# Altium PCB 4S SMART BMS İsmet Akalın.PcbDoc (part 1 of 2) (continued)
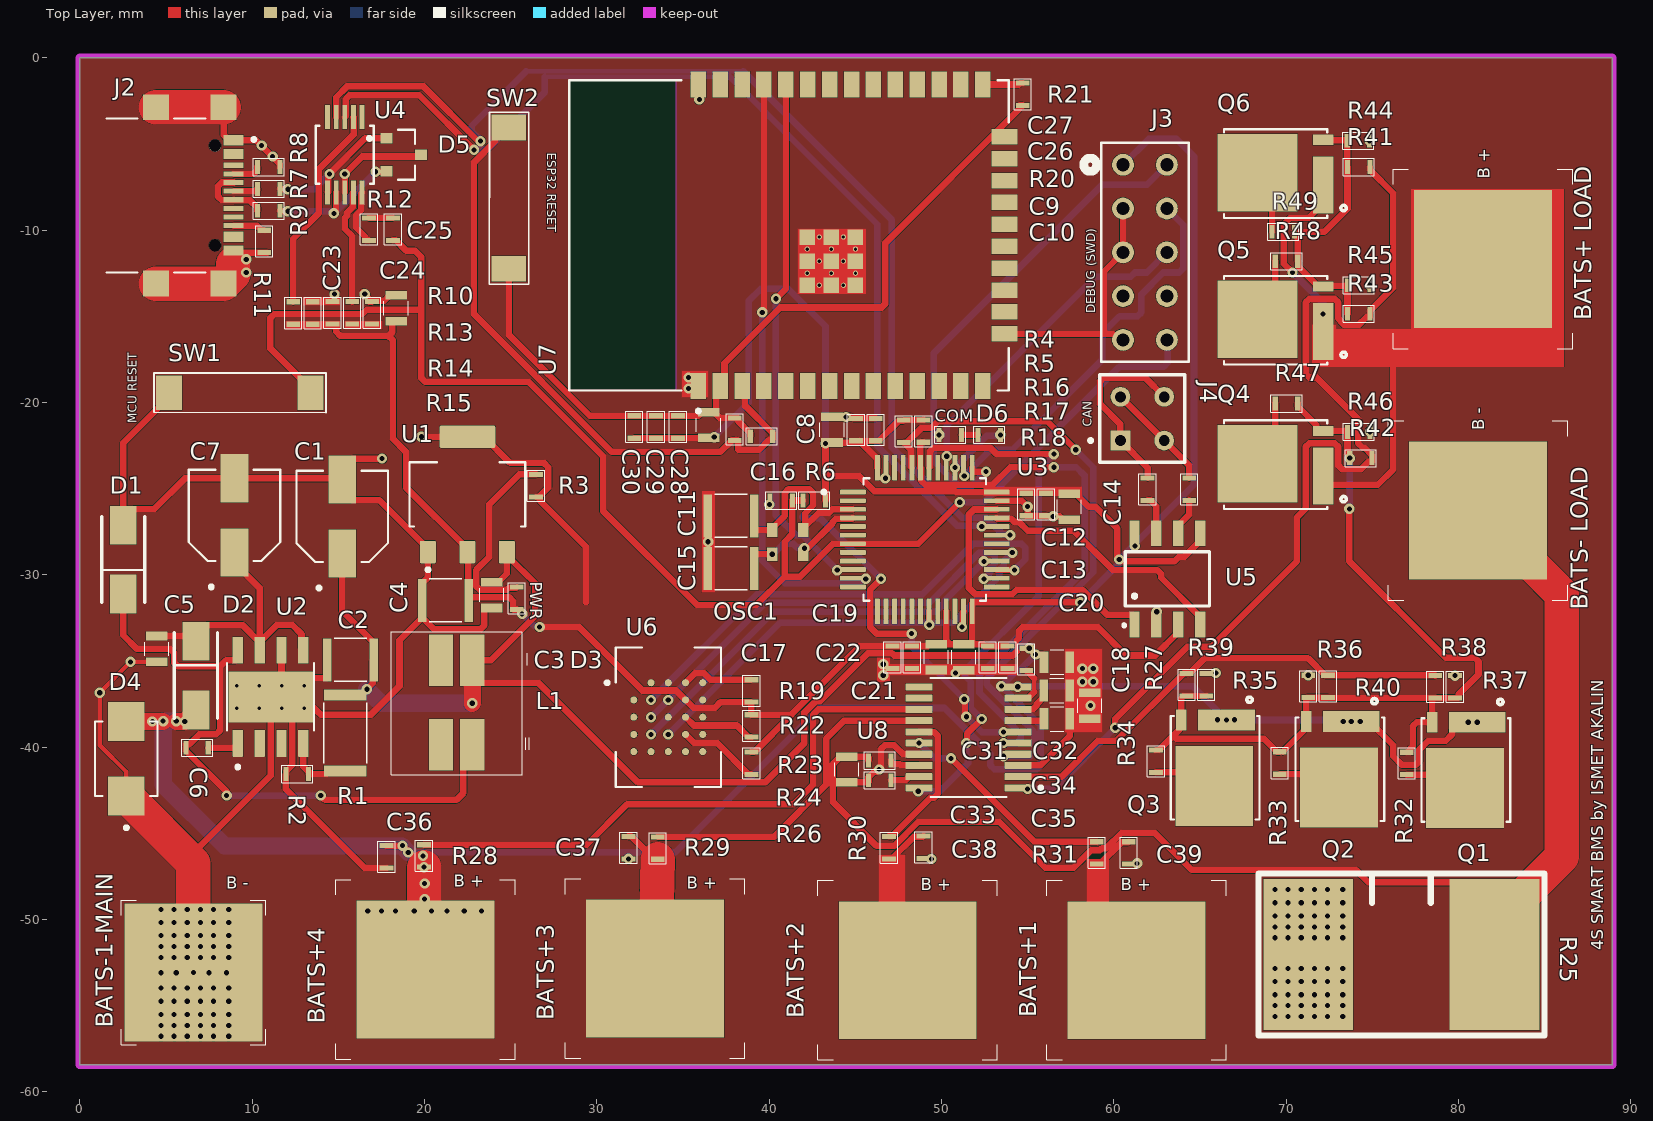
[diagram p0: Top Layer view]
## Part data (continued)
C8 C14 C21 C22 C27: library part "CAP CER 10UF 6.3V 0805", "10 µF ±10% 6.3V Ceramic Capacitor X7R 0805 (2012 Metric)", Case Code (Metric)=2012, Case Code (Imperial)=0805, Dielectric=X7R, Dielectric Material=Ceramic, Manufacturer="Samsung Electro-Mechanics", Max Operating Temperature=125°C, Min Operating Temperature=-55°C, Tolerance=10%, Voltage=6.3V, Case/Package=0805, Category="Ceramic Capacitors", China RoHS=Compliant, ComponentLink1Description=https://datasheet.octopart.com:443/CL21B106KQQNNNG-Samsung-Electro-Mechanics-datasheet-182023452.pdf?src-supplier=IHS, ComponentLink1URL=https://datasheet.octopart.com:443/CL21B106KQQNNNG-Samsung-Electro-Mechanics-datasheet-182023452.pdf?src-supplier=IHS, ComponentLink2Description=https://datasheet.octopart.com:443/CL21B106KQQNNNG-Samsung-Electro-Mechanics-datasheet-136482505.pdf?src-supplier=Samsung+SCT, ComponentLink2URL=https://datasheet.octopart.com:443/CL21B106KQQNNNG-Samsung-Electro-Mechanics-datasheet-136482505.pdf?src-supplier=Samsung+SCT, ComponentLink3Description=https://datasheet.octopart.com:443/CL21B106KQQNNNG-Samsung-Electro-Mechanics-datasheet-116891051.pdf?src-supplier=Future+Electronics, ComponentLink3URL=https://datasheet.octopart.com:443/CL21B106KQQNNNG-Samsung-Electro-Mechanics-datasheet-116891051.pdf?src-supplier=Future+Electronics, ComponentLink4Description=https://datasheet.octopart.com:443/CL21B106KQQNNNG-Samsung-Electro-Mechanics-datasheet-81462194.pdf?src-supplier=Future+Electronics, ComponentLink4URL=https://datasheet.octopart.com:443/CL21B106KQQNNNG-Samsung-Electro-Mechanics-datasheet-81462194.pdf?src-supplier=Future+Electronics, ComponentLink5Description=https://datasheet.octopart.com:443/CL21B106KQQNNNG-Samsung-datasheet-26669288.pdf?src-supplier=Future+Electronics, ComponentLink5URL=https://datasheet.octopart.com:443/CL21B106KQQNNNG-Samsung-datasheet-26669288.pdf?src-supplier=Future+Electronics, ComponentLink6Description=https://datasheet.octopart.com:443/CL21B106KQQNNNG-Samsung-datasheet-8324245.pdf?src-supplier=Future+Electronics, ComponentLink6URL=https://datasheet.octopart.com:443/CL21B106KQQNNNG-Samsung-datasheet-8324245.pdf?src-supplier=Future+Electronics, ComponentLink7Description=https://datasheet.octopart.com:443/CL21B106KQQNNNG-Samsung-Electro-Mechanics-datasheet-149045989.pdf?src-supplier=Future+Electronics, ComponentLink7URL=https://datasheet.octopart.com:443/CL21B106KQQNNNG-Samsung-Electro-Mechanics-datasheet-149045989.pdf?src-supplier=Future+Electronics, ComponentLink8Description=https://datasheet.octopart.com:443/CL21B106KQQNNNG-Samsung-datasheet-37081328.pdf?src-supplier=Future+Electronics, ComponentLink8URL=https://datasheet.octopart.com:443/CL21B106KQQNNNG-Samsung-datasheet-37081328.pdf?src-supplier=Future+Electronics, ComponentLink9Description=https://datasheet.octopart.com/CL21B106KQQNNNG-Samsung-Electro-Mechanics-datasheet-97040617.pdf, ComponentLink9URL=https://datasheet.octopart.com/CL21B106KQQNNNG-Samsung-Electro-Mechanics-datasheet-97040617.pdf, ComponentLink10Description=https://datasheet.octopart.com:443/CL21B106KQQNNNG-Samsung-datasheet-59220082.pdf?src-supplier=TME, ComponentLink10URL=https://datasheet.octopart.com:443/CL21B106KQQNNNG-Samsung-datasheet-59220082.pdf?src-supplier=TME, Depth=1.25mm, Height=1.4mm, Lead Free="Lead Free", Length=2mm, Lifecycle Status=Production, Manufacturer Part Number=CL21B106KQQNNNG, Material=Ceramic, Mounting Technology="Surface Mount", Number of Terminals=2, Pricing="1=0,0256, 10=0,011, 25=0,011, 100=0,008, 250=0,008, 500=0,007, 1000=0,006, 3000=0,006, 6000=0,005, 15000=0,005, 30000=0,005, 75000=0,004, 150000=0,004 (USD)", REACH SVHC=Yes, RoHS=Compliant, Schedule B="8532240020, 8532240020|8532240020, 8532240020|8532240020|8532240020, 8532240020|8532240020|8532240020|8532240020", Stock=330626, Supplier="Arrow Electronics", Supplier Part Number=CL21B106KQQNNNG, Thickness=1.397mm, Voltage Rating=6.3V, Voltage Rating (DC)=6.3V, Width=1.25mm
C9 C10 C12 C13 C16 C17 C18 C19 C20 C23 C25 C26 C28 C29 C30: library part "CAP CER 0.1UF 6.3V 0603", "0.1 µF ±5% 6.3V Ceramic Capacitor X7R 0603 (1608 Metric)", Dielectric Material=Ceramic, Manufacturer="KYOCERA AVX", Max Operating Temperature=125°C, Min Operating Temperature=-55°C, Voltage Rating (DC)=6.3V, Category="Ceramic Capacitors", ComponentLink1Description=https://datasheet.octopart.com:443/KGM15AR70J104JT-KYOCERA-AVX-datasheet-179280988.pdf?src-supplier=IHS, ComponentLink1URL=https://datasheet.octopart.com:443/KGM15AR70J104JT-KYOCERA-AVX-datasheet-179280988.pdf?src-supplier=IHS, Height=900µm, Length=1.6mm, Lifecycle Status=Production, Manufacturer Part Number=KGM15AR70J104JT, Mounting Technology="Surface Mount", Number of Terminals=2, Pricing="1=0,019, 10=0,019, 25=0,019, 100=0,018, 250=0,018, 500=0,018, 1000=0,018 (USD)", REACH SVHC=Yes, RoHS=Compliant, Stock=2087, Supplier="Arrow Electronics", Supplier Part Number=KGM15AR70J104JT, Width=810µm
C31 C33 C35: library part "CAP CER 0.1UF 50V 0805", "0.1 µF ±10% 50V Ceramic Capacitor X7R 0805 (2012 Metric)", Dielectric Material=Ceramic, Manufacturer="KYOCERA AVX", Max Operating Temperature=125°C, Min Operating Temperature=-55°C, Voltage Rating (DC)=50V, Category="Ceramic Capacitors", ComponentLink1Description=https://datasheet.octopart.com:443/KGM21NR71H104KT-KYOCERA-AVX-datasheet-179280988.pdf?src-supplier=IHS, ComponentLink1URL=https://datasheet.octopart.com:443/KGM21NR71H104KT-KYOCERA-AVX-datasheet-179280988.pdf?src-supplier=IHS, ComponentLink2Description=https://datasheet.octopart.com:443/KGM21NR71H104KT-KYOCERA-AVX-datasheet-178027269.pdf?src-supplier=TME, ComponentLink2URL=https://datasheet.octopart.com:443/KGM21NR71H104KT-KYOCERA-AVX-datasheet-178027269.pdf?src-supplier=TME, ComponentLink3Description=https://datasheet.octopart.com:443/KGM21NR71H104KT-KYOCERA-AVX-datasheet-175509538.pdf?src-supplier=Future+Electronics, ComponentLink3URL=https://datasheet.octopart.com:443/KGM21NR71H104KT-KYOCERA-AVX-datasheet-175509538.pdf?src-supplier=Future+Electronics, ComponentLink4Description=http://sigma.octopart.com:80/conflict_mineral_statement/AVX-company-34.pdf?src-supplier=Compliance+Statements, ComponentLink4URL=http://sigma.octopart.com:80/conflict_mineral_statement/AVX-company-34.pdf?src-supplier=Compliance+Statements, ComponentLink5Description=http://sigma.octopart.com:80/reach_statement/AVX-company-19.pdf?src-supplier=Compliance+Statements, ComponentLink5URL=http://sigma.octopart.com:80/reach_statement/AVX-company-19.pdf?src-supplier=Compliance+Statements, Height=1mm, Length=2.01mm, Lifecycle Status=Production, Manufacturer Part Number=KGM21NR71H104KT, Mounting Technology="Surface Mount", Number of Terminals=2, Pricing="4000=0,0068, 20000=0,007, 100000=0,006 (USD)", REACH SVHC=Yes, RoHS=Compliant, Stock=28652000, Supplier="Arrow Electronics", Supplier Part Number=KGM21NR71H104KT, Width=1.25mm
D1 D2: library part "DIODE SCHOTTKY 40V 5A", "Diode Schottky 40 V 5A Surface Mount SMA", Capacitance @ Vr, F="500pF @ 4V, 1MHz", Current - Average Rectified (Io)=5A, Current - Reverse Leakage @ Vr="1 mA @ 40 V", Operating Temperature - Junction="-55°C ~ 125°C", Package / Case="DO-214AC, SMA", Voltage - DC Reverse (Vr) (Max)="40 V", Voltage - Forward (Vf) (Max) @ If="550 mV @ 5 A", ComponentLink1Description=DataSheet, ComponentLink1URL=https://www.digikey.com/en/products/detail/mdd/ss54/15911594#:~:text=Datasheets-,SS54_Datasheet,-Environmental%20%26%20Export%20Classifications, ComponentLink2Description="Supplier Link", ComponentLink2URL=https://www.digikey.com/en/products/detail/mdd/ss54/15911594, Mounting Type="Surface Mount", Speed="Fast Recovery =< 500ns, > 200mA (Io)", Technology=Schottky
D3: library part "LED RED CLEAR", "Red 631nm LED Indication - Discrete 2V 0603 (1608 Metric)", Case Code (Metric)=1608, Case Code (Imperial)=0603, Color=Red, Forward Current=25mA, Forward Voltage=2.4V, Lens Color="Clear, Colorless", Manufacturer=Lite-On, Max Operating Temperature=85°C, Min Operating Temperature=-30°C, Power Dissipation=62.5mW, Power Rating=75mW, Reverse Voltage=5V, Supplier Part Number=5050042, Test Current=20mA, Tolerance=20%, Voltage Rating=50V, Case/Package=0603, Category=LEDs, China RoHS=Compliant, ComponentLink1Description=https://datasheet.octopart.com:443/LTST-C190KRKT-Lite-On-datasheet-32047000.pdf?src-supplier=Upverter, ComponentLink1URL=https://datasheet.octopart.com:443/LTST-C190KRKT-Lite-On-datasheet-32047000.pdf?src-supplier=Upverter, ComponentLink2Description=https://datasheet.octopart.com:443/LTST-C190KRKT-Lite-On-datasheet-114749306.pdf?src-supplier=ODG+(Origin+Data+Global), ComponentLink2URL=https://datasheet.octopart.com:443/LTST-C190KRKT-Lite-On-datasheet-114749306.pdf?src-supplier=ODG+(Origin+Data+Global), ComponentLink3Description=https://datasheet.octopart.com:443/LTST-C190KRKT-Lite-On-datasheet-166650849.pdf?src-supplier=IHS, ComponentLink3URL=https://datasheet.octopart.com:443/LTST-C190KRKT-Lite-On-datasheet-166650849.pdf?src-supplier=IHS, ComponentLink4Description=https://datasheet.octopart.com:443/LTST-C190KRKT-Lite-On-datasheet-158191.pdf?src-supplier=_legacy+Avnet, ComponentLink4URL=https://datasheet.octopart.com:443/LTST-C190KRKT-Lite-On-datasheet-158191.pdf?src-supplier=_legacy+Avnet, ComponentLink5Description=https://datasheet.octopart.com:443/LTST-C190KRKT-Lite-On-datasheet-165573809.pdf?src-supplier=TME, ComponentLink5URL=https://datasheet.octopart.com:443/LTST-C190KRKT-Lite-On-datasheet-165573809.pdf?src-supplier=TME, ComponentLink6Description=https://datasheet.octopart.com:443/LTST-C190KRKT-Lite-On-datasheet-165573808.pdf?src-supplier=TME, ComponentLink6URL=https://datasheet.octopart.com:443/LTST-C190KRKT-Lite-On-datasheet-165573808.pdf?src-supplier=TME, ComponentLink7Description=https://datasheet.octopart.com:443/LTST-C190KRKT-Lite-On-datasheet-12557188.pdf?src-supplier=Future+Electronics, ComponentLink7URL=https://datasheet.octopart.com:443/LTST-C190KRKT-Lite-On-datasheet-12557188.pdf?src-supplier=Future+Electronics, ComponentLink8Description=https://datasheet.octopart.com:443/LTST-C190KRKT-Lite-On-datasheet-8329900.pdf?src-supplier=Future+Electronics, ComponentLink8URL=https://datasheet.octopart.com:443/LTST-C190KRKT-Lite-On-datasheet-8329900.pdf?src-supplier=Future+Electronics, ComponentLink9Description=https://datasheet.octopart.com:443/LTST-C190KRKT-Lite-On-datasheet-8319956.pdf?src-supplier=Jameco, ComponentLink9URL=https://datasheet.octopart.com:443/LTST-C190KRKT-Lite-On-datasheet-8319956.pdf?src-supplier=Jameco, ComponentLink10Description=https://datasheet.octopart.com:443/LTST-C190KRKT-Lite-On-datasheet-94958.pdf?src-supplier=DigiKey, ComponentLink10URL=https://datasheet.octopart.com:443/LTST-C190KRKT-Lite-On-datasheet-94958.pdf?src-supplier=DigiKey, Depth=800µm, Diameter=8mm, Dominant Wavelength=631nm, Height=800µm, Lead Free="Lead Free", Lead Pitch=3.5mm, Length=11.5mm, Lens Style=Clear, Lens Transparency=Clear, Lifecycle Status=Production, Luminous Intensity=18mcd, Manufacturer Part Number=LTST-C190KRKT, Mounting Technology="Surface Mount", Number of Circuits=1, Number of Elements=1, Number of LEDs=1, Number of Terminals=2, Packaging=Bulk, Peak Wavelength=639nm, Pins=2, Pricing="4000=0,0152, 12000=0,0149, 20000=0,0147, 60000=0,0144, 100000=0,014 (USD)", Radiation Hardening=No, REACH SVHC=Yes, RoHS=Compliant, Schedule B="8541402000, 8541402000|8541402000, 8541402000|8541402000|8541402000, 8541402000|8541402000|8541402000|8541402000", Shape=Rectangular, Stock=1444000, Supplier="Future Electronics", Viewing Angle=260°, Voltage Rating (DC)=50V, Wavelength=631nm, Width=800µm, Illumination Color=Red
D4: library part "DIODE TVS 40VC", "TVS Diode, SMBJ, Unidirectional, 24 V, 38.9 V, DO-214AA (SMB), 2 Pins", Breakdown Voltage=28.1V, Case/Package=SMB, Clamping Voltage=38.9V, Leakage Current=5µA, Manufacturer=Bourns, Max Breakdown Voltage=29.5V, Max Junction Temperature (Tj)=150°C, Max Power Dissipation=5W, Max Surge Current=100A, Min Breakdown Voltage=26.7V, Min Operating Temperature=-55°C, Peak Pulse Current=15.5A, Peak Pulse Power=600W, Power Line Protection=No, Reverse Standoff Voltage=24V, Supplier Part Number=1899465, Test Current=1mA, Category="TVS Diodes", China RoHS=Non-Compliant, ComponentLink1Description=https://datasheet.octopart.com:443/SMBJ24A-Bourns-datasheet-179980059.pdf?src-supplier=TME, ComponentLink1URL=https://datasheet.octopart.com:443/SMBJ24A-Bourns-datasheet-179980059.pdf?src-supplier=TME, ComponentLink2Description=https://datasheet.octopart.com:443/SMBJ24A-Bourns-datasheet-12567566.pdf?src-supplier=Burklin+Elektronik, ComponentLink2URL=https://datasheet.octopart.com:443/SMBJ24A-Bourns-datasheet-12567566.pdf?src-supplier=Burklin+Elektronik, ComponentLink3Description=https://datasheet.octopart.com:443/SMBJ24A-Bourns-datasheet-165058450.pdf?src-supplier=Burklin+Elektronik, ComponentLink3URL=https://datasheet.octopart.com:443/SMBJ24A-Bourns-datasheet-165058450.pdf?src-supplier=Burklin+Elektronik, ComponentLink4Description=https://datasheet.octopart.com:443/SMBJ24A-Bourns-datasheet-94099898.pdf?src-supplier=Farnell, ComponentLink4URL=https://datasheet.octopart.com:443/SMBJ24A-Bourns-datasheet-94099898.pdf?src-supplier=Farnell, ComponentLink5Description=https://datasheet.octopart.com:443/SMBJ24A-Bourns-datasheet-34433208.pdf?src-supplier=Newark, ComponentLink5URL=https://datasheet.octopart.com:443/SMBJ24A-Bourns-datasheet-34433208.pdf?src-supplier=Newark, ComponentLink6Description=https://datasheet.octopart.com:443/SMBJ24A-Bourns-datasheet-154729896.pdf?src-supplier=Electro+Sonic, ComponentLink6URL=https://datasheet.octopart.com:443/SMBJ24A-Bourns-datasheet-154729896.pdf?src-supplier=Electro+Sonic, ComponentLink7Description=https://datasheet.octopart.com:443/SMBJ24A-Bourns-datasheet-42429174.pdf?src-supplier=RS+(Formerly+Allied+Electronics), ComponentLink7URL=https://datasheet.octopart.com:443/SMBJ24A-Bourns-datasheet-42429174.pdf?src-supplier=RS+(Formerly+Allied+Electronics), ComponentLink8Description=https://datasheet.octopart.com:443/SMBJ24A-Bourns-datasheet-10292148.pdf?src-supplier=element14, ComponentLink8URL=https://datasheet.octopart.com:443/SMBJ24A-Bourns-datasheet-10292148.pdf?src-supplier=element14, ComponentLink9Description=https://datasheet.octopart.com:443/SMBJ24A-Bourns-datasheet-14047909.pdf?src-supplier=iiiC, ComponentLink9URL=https://datasheet.octopart.com:443/SMBJ24A-Bourns-datasheet-14047909.pdf?src-supplier=iiiC, ComponentLink10Description=http://sigma.octopart.com:80/conflict_mineral_statement/Bourns-company-36.pdf?src-supplier=Compliance+Statements, ComponentLink10URL=http://sigma.octopart.com:80/conflict_mineral_statement/Bourns-company-36.pdf?src-supplier=Compliance+Statements, Composition=Zener, Direction=Unidirectional, Element Configuration=Single, ESD Protection=Yes, Height=2.44mm, Length=4.57mm, Lifecycle Status=Production, Manufacturer Part Number=SMBJ24A, Max Operating Temperature=150°C, Max Reverse Leakage Current=5µA, Mounting Technology="Surface Mount", Number of Channels=1, Number of Elements=1, Number of Terminals=2, Number of Unidirectional Channels=1, Packaging="Tape & Reel", Pins=2, Polarity=Unidirectional, Pricing="5=0,345, 10=0,226, 100=0,11, 500=0,108, 1000=0,103, 5000=0,083 (EUR)", Radiation Hardening=No, REACH SVHC=No, Reverse Breakdown Voltage=26.7V, RoHS=Compliant, Schedule B=8541100080, Stock=35659, Supplier=Farnell, Termination=SMD/SMT, Width=3.94mm
D5: library part "DIODE TVS 14VC", "12A 14V 5.5V Bidirectional 5V SOT-23 ESD and Surge Protection (TVS/ESD) ROHS", Breakdown Voltage=7.5V, Clamping Voltage=14V, Manufacturer=Nexperia, Manufacturer Lifecycle Status="RELEASED FOR SUPPLY", Max Breakdown Voltage=9.5V, Max Operating Temperature=150°C, Min Breakdown Voltage=5.5V, Operating Supply Voltage=5V, Peak Pulse Power=130W, Category="TVS Diodes", China RoHS=Compliant, ComponentLink1Description=https://datasheet.octopart.com:443/PESD5V0S2BT%2C215-Nexperia-datasheet-8331350.pdf?src-supplier=IHS, ComponentLink1URL=https://datasheet.octopart.com:443/PESD5V0S2BT%2C215-Nexperia-datasheet-8331350.pdf?src-supplier=IHS, ComponentLink2Description=https://datasheet.octopart.com:443/PESD5V0S2BT%2C215-Nexperia-datasheet-87581778.pdf?src-supplier=Nexperia, ComponentLink2URL=https://datasheet.octopart.com:443/PESD5V0S2BT%2C215-Nexperia-datasheet-87581778.pdf?src-supplier=Nexperia, ComponentLink3Description=https://datasheet.octopart.com:443/PESD5V0S2BT%2C215-Nexperia-datasheet-180924588.pdf?src-supplier=Newark, ComponentLink3URL=https://datasheet.octopart.com:443/PESD5V0S2BT%2C215-Nexperia-datasheet-180924588.pdf?src-supplier=Newark, ComponentLink4Description=http://sigma.octopart.com:80/reach_statement/NXP-Semiconductors-company-13.pdf?src-supplier=Compliance+Statements, ComponentLink4URL=http://sigma.octopart.com:80/reach_statement/NXP-Semiconductors-company-13.pdf?src-supplier=Compliance+Statements, ComponentLink5Description=http://sigma.octopart.com:80/rohs_statement/NXP-Semiconductors-company-12.pdf?src-supplier=Compliance+Statements, ComponentLink5URL=http://sigma.octopart.com:80/rohs_statement/NXP-Semiconductors-company-12.pdf?src-supplier=Compliance+Statements, Contact Plating=Tin, Lifecycle Status=Production, Manufacturer Part Number=PESD5V0S2BT,215, Number of Elements=2, Number of Terminals=3, Pins=3, Polarity=Bidirectional, Pricing="3000=0,1023, 6000=0,102, 9000=0,101, 15000=0,099 (USD)", REACH SVHC=Yes, Reverse Standoff Voltage=5V, RoHS=Compliant, Schedule B="8536300000, 8541100050, 8541100050|8541100050|8541100050|8541100050|8541100050", Stock=375000, Supplier="Arrow Electronics", Supplier Part Number=PESD5V0S2BT,215
D6: library part "LED GREEN CLEAR", "LED Uni-Color Green 565nm 2-Pin Chip LED T/R", Case Code (Metric)=1608, Case Code (Imperial)=0603, Color=Green, Current=1A, Forward Current=30mA, Forward Voltage=2.6V, Lens Color="Clear, Colorless", Manufacturer=Lite-On, Max Operating Temperature=85°C, Min Operating Temperature=-55°C, Power Dissipation=100mW, Reverse Voltage=5V, Test Current=10mA, Voltage=2V, Case/Package=0603, Category=LEDs, China RoHS=Compliant, ComponentLink1Description=https://datasheet.octopart.com:443/LTST-C190GKT-Lite-On-datasheet-66499085.pdf?src-supplier=IHS, ComponentLink1URL=https://datasheet.octopart.com:443/LTST-C190GKT-Lite-On-datasheet-66499085.pdf?src-supplier=IHS, ComponentLink2Description=https://datasheet.octopart.com:443/LTST-C190GKT-Lite-On-datasheet-158530.pdf?src-supplier=Electro+Sonic, ComponentLink2URL=https://datasheet.octopart.com:443/LTST-C190GKT-Lite-On-datasheet-158530.pdf?src-supplier=Electro+Sonic, ComponentLink3Description=https://datasheet.octopart.com:443/LTST-C190GKT-Lite-On-datasheet-87079182.pdf?src-supplier=Upverter, ComponentLink3URL=https://datasheet.octopart.com:443/LTST-C190GKT-Lite-On-datasheet-87079182.pdf?src-supplier=Upverter, ComponentLink4Description=https://datasheet.octopart.com:443/LTST-C190GKT-Lite-On-datasheet-7279162.pdf?src-supplier=Future+Electronics, ComponentLink4URL=https://datasheet.octopart.com:443/LTST-C190GKT-Lite-On-datasheet-7279162.pdf?src-supplier=Future+Electronics, ComponentLink5Description=https://datasheet.octopart.com:443/LTST-C190GKT-Lite-On-datasheet-86397319.pdf?src-supplier=Future+Electronics, ComponentLink5URL=https://datasheet.octopart.com:443/LTST-C190GKT-Lite-On-datasheet-86397319.pdf?src-supplier=Future+Electronics, ComponentLink6Description=https://datasheet.octopart.com:443/LTST-C190GKT-Lite-On-datasheet-93383.pdf?src-supplier=DigiKey, ComponentLink6URL=https://datasheet.octopart.com:443/LTST-C190GKT-Lite-On-datasheet-93383.pdf?src-supplier=DigiKey, ComponentLink7Description=https://datasheet.octopart.com:443/LTST-C190GKT-Lite-On-datasheet-14174996.pdf?src-supplier=iiiC, ComponentLink7URL=https://datasheet.octopart.com:443/LTST-C190GKT-Lite-On-datasheet-14174996.pdf?src-supplier=iiiC, ComponentLink8Description=https://datasheet.octopart.com:443/LTST-C190GKT-Lite-On-datasheet-62340971.pdf?src-supplier=TME, ComponentLink8URL=https://datasheet.octopart.com:443/LTST-C190GKT-Lite-On-datasheet-62340971.pdf?src-supplier=TME, Contact Plating=Tin, Depth=800µm, Dominant Wavelength=569nm, Height=800µm, Lead Free="Lead Free", Length=1.6mm, Lens Style=Clear, Lens Transparency=Clear, Lifecycle Status=NRND, Luminous Intensity=1.8mcd, Manufacturer Part Number=LTST-C190GKT, Mounting Technology="Surface Mount", Number of Circuits=1, Number of Elements=1, Number of LEDs=1, Number of Terminals=2, Peak Wavelength=565nm, Pins=2, Power Rating=100mW, Pricing="1=0,12, 10=0,081, 25=0,08, 100=0,056, 250=0,055, 500=0,044, 1000=0,036, 3000=0,025 (USD)", Radiation Hardening=No, REACH SVHC=Yes, RoHS=Compliant, Schedule B="8541402000, 8541402000|8541402000|8541402000|8541402000|8541402000", Shape=Rectangular, Stock=3055, Supplier="Arrow Electronics", Supplier Part Number=LTST-C190GKT, Terminal Pitch=1.5mm, Viewing Angle=130°, Wavelength=569nm, Width=800µm, Illumination Color=Green
J2: library part "TYPE C USB2.0", "USB-C (USB TYPE-C) USB 2.0 Receptacle Connector 24 (16+8 Dummy) Position Surface Mount, Right Angle; Through Hole", Manufacturer=Amphenol, Category=Connectors, Manufacturer Part Number=GSB1C41110SSHR, Model="Type C", Pricing="8000=0,2931, 16000=0,29, 24000=0,287, 40000=0,284, 48000=0,282, 96000=0,279, 120000=0,276, 200000=0,273, 240000=0,27 (USD)", Supplier="Arrow Electronics", Supplier Part Number=GSB1C41110SSHR
J3: library part "HEADER 2×5 pin", "Pin Header, Precision Machined Terminal, Board-to-Board, 2.54 mm, 2 Rows, 10 Contacts, Through Hole", Color=Black, Manufacturer=Samtec, Manufacturer Lifecycle Status=PRODUCTION, Category="Headers and Wire Housings", ComponentLink1Description=https://datasheet.octopart.com:443/TD-105-T-A-Samtec-datasheet-97310231.pdf?src-supplier=Sager+Electronics, ComponentLink1URL=https://datasheet.octopart.com:443/TD-105-T-A-Samtec-datasheet-97310231.pdf?src-supplier=Sager+Electronics, ComponentLink2Description=https://datasheet.octopart.com:443/TD-105-T-A-Samtec-datasheet-150856305.pdf?src-supplier=Sager+Electronics, ComponentLink2URL=https://datasheet.octopart.com:443/TD-105-T-A-Samtec-datasheet-150856305.pdf?src-supplier=Sager+Electronics, ComponentLink3Description=https://datasheet.octopart.com:443/TD-105-T-A-Samtec-datasheet-179090728.pdf?src-supplier=Sager+Electronics, ComponentLink3URL=https://datasheet.octopart.com:443/TD-105-T-A-Samtec-datasheet-179090728.pdf?src-supplier=Sager+Electronics, ComponentLink4Description=https://datasheet.octopart.com:443/TD-105-T-A-Samtec-datasheet-129019458.pdf?src-supplier=Electro+Sonic, ComponentLink4URL=https://datasheet.octopart.com:443/TD-105-T-A-Samtec-datasheet-129019458.pdf?src-supplier=Electro+Sonic, ComponentLink5Description=https://datasheet.octopart.com:443/TD-105-T-A-Samtec-datasheet-41643126.pdf?src-supplier=Farnell, ComponentLink5URL=https://datasheet.octopart.com:443/TD-105-T-A-Samtec-datasheet-41643126.pdf?src-supplier=Farnell, ComponentLink6Description=https://datasheet.octopart.com:443/TD-105-T-A-Samtec-datasheet-37173861.pdf?src-supplier=Farnell, ComponentLink6URL=https://datasheet.octopart.com:443/TD-105-T-A-Samtec-datasheet-37173861.pdf?src-supplier=Farnell, ComponentLink7Description=https://datasheet.octopart.com:443/TD-105-T-A-Samtec-datasheet-8466599.pdf?src-supplier=Farnell, ComponentLink7URL=https://datasheet.octopart.com:443/TD-105-T-A-Samtec-datasheet-8466599.pdf?src-supplier=Farnell, ComponentLink8Description=https://datasheet.octopart.com:443/TD-105-T-A-Samtec-datasheet-175953447.pdf?src-supplier=JRH+Electronics, ComponentLink8URL=https://datasheet.octopart.com:443/TD-105-T-A-Samtec-datasheet-175953447.pdf?src-supplier=JRH+Electronics, ComponentLink9Description=https://datasheet.octopart.com:443/TD-105-T-A-Samtec-datasheet-116539057.pdf?src-supplier=Toby+Electronics, ComponentLink9URL=https://datasheet.octopart.com:443/TD-105-T-A-Samtec-datasheet-116539057.pdf?src-supplier=Toby+Electronics, ComponentLink10Description=https://datasheet.octopart.com:443/TD-105-T-A-Samtec-datasheet-116536282.pdf?src-supplier=Toby+Electronics, ComponentLink10URL=https://datasheet.octopart.com:443/TD-105-T-A-Samtec-datasheet-116536282.pdf?src-supplier=Toby+Electronics, ComponentLink11Description=https://datasheet.octopart.com:443/TD-105-T-A-Samtec-datasheet-21214653.pdf?src-supplier=Newark, ComponentLink11URL=https://datasheet.octopart.com:443/TD-105-T-A-Samtec-datasheet-21214653.pdf?src-supplier=Newark, Connector Type=Socket, Contact Material=Brass, Contact Mating Length=4.2164mm, Contact Plating=Tin, Gender=Receptacle, Height=2.54mm, Housing Color=Black, Housing Material=Plastic, Lead Free="Lead Free", Length=12.7mm, Lifecycle Status=Production, Manufacturer Part Number=TD-105-T-A, Mounting Technology="Through Hole", Number of Contacts=10, Number of Positions=10, Number of Rows=2, Packaging=Bulk, Pitch=2.54mm, Pricing="1=1,88, 50=1,46, 100=1,18, 500=1, 1000=0,79, 2000=0,73, 5000=0,59, 10000=0,45 (USD)", Radiation Hardening=No, REACH SVHC=No, RoHS=Compliant, Row Spacing=2.54mm, Supplier="Arrow Electronics", Supplier Part Number=TD-105-T-A, Termination=Solder, Width=5.08mm
J4: library part "HEADER 2X2 pin", "CONN HEADER VERT 4POS 2.54MM", Color=Black, Manufacturer=Samtec, Manufacturer Lifecycle Status=PRODUCTION, Supplier Part Number=3687780, Category="Headers and Wire Housings", ComponentLink1Description=https://datasheet.octopart.com:443/TD-102-T-A-Samtec-datasheet-97310231.pdf?src-supplier=Samtec, ComponentLink1URL=https://datasheet.octopart.com:443/TD-102-T-A-Samtec-datasheet-97310231.pdf?src-supplier=Samtec, ComponentLink2Description=https://datasheet.octopart.com:443/TD-102-T-A-Samtec-datasheet-150856305.pdf?src-supplier=Sager+Electronics, ComponentLink2URL=https://datasheet.octopart.com:443/TD-102-T-A-Samtec-datasheet-150856305.pdf?src-supplier=Sager+Electronics, ComponentLink3Description=https://datasheet.octopart.com:443/TD-102-T-A-Samtec-datasheet-129019458.pdf?src-supplier=Sager+Electronics, ComponentLink3URL=https://datasheet.octopart.com:443/TD-102-T-A-Samtec-datasheet-129019458.pdf?src-supplier=Sager+Electronics, ComponentLink4Description=https://datasheet.octopart.com:443/TD-102-T-A-Samtec-datasheet-179090728.pdf?src-supplier=Sager+Electronics, ComponentLink4URL=https://datasheet.octopart.com:443/TD-102-T-A-Samtec-datasheet-179090728.pdf?src-supplier=Sager+Electronics, ComponentLink5Description=https://datasheet.octopart.com:443/TD-102-T-A-Samtec-datasheet-41643126.pdf?src-supplier=Farnell, ComponentLink5URL=https://datasheet.octopart.com:443/TD-102-T-A-Samtec-datasheet-41643126.pdf?src-supplier=Farnell, ComponentLink6Description=https://datasheet.octopart.com:443/TD-102-T-A-Samtec-datasheet-37173861.pdf?src-supplier=Farnell, ComponentLink6URL=https://datasheet.octopart.com:443/TD-102-T-A-Samtec-datasheet-37173861.pdf?src-supplier=Farnell, ComponentLink7Description=https://datasheet.octopart.com:443/TD-102-T-A-Samtec-datasheet-8466599.pdf?src-supplier=Farnell, ComponentLink7URL=https://datasheet.octopart.com:443/TD-102-T-A-Samtec-datasheet-8466599.pdf?src-supplier=Farnell, ComponentLink8Description=https://datasheet.octopart.com:443/TD-102-T-A-Samtec-datasheet-21214653.pdf?src-supplier=Newark, ComponentLink8URL=https://datasheet.octopart.com:443/TD-102-T-A-Samtec-datasheet-21214653.pdf?src-supplier=Newark, Contact Material=Brass, Contact Mating Length=4.2164mm, Contact Plating=Tin, Height=2.54mm, Housing Color=Black, Housing Material=Plastic, Lead Free="Lead Free", Length=5.08mm, Lifecycle Status=Production, Manufacturer Part Number=TD-102-T-A, Mounting Technology="Through Hole", Number of Contacts=4, Number of Positions=4, Number of Rows=2, Packaging=Bulk, Pitch=2.54mm, Pricing="100=0,565 (EUR)", Radiation Hardening=No, REACH SVHC=No, RoHS=Compliant, Row Spacing=2.54mm, Supplier=Farnell, Termination=Solder, Width=5.08mm
L1: library part "INDUCTOR 33UH", "INDUCT ARRAY 2 COIL 33UH SMD", Case/Package=3030, Current=653mA, DC Resistance (DCR)=240mΩ, Manufacturer=Bourns, Max Current Rating=1.31A, Max Operating Temperature=125°C, Min Operating Temperature=-40°C, Self Resonant Frequency=100kHz, Tolerance=20%, Inductance - Parallel=33µH, Inductance - Series=132µH, Category="Fixed Inductors", China RoHS=Compliant, ComponentLink1Description=https://datasheet.octopart.com:443/SRF0703-330M-Bourns-datasheet-166810714.pdf?src-supplier=IHS, ComponentLink1URL=https://datasheet.octopart.com:443/SRF0703-330M-Bourns-datasheet-166810714.pdf?src-supplier=IHS, ComponentLink2Description=https://datasheet.octopart.com:443/SRF0703-330M-Bourns-datasheet-13693259.pdf?src-supplier=element14+APAC, ComponentLink2URL=https://datasheet.octopart.com:443/SRF0703-330M-Bourns-datasheet-13693259.pdf?src-supplier=element14+APAC, ComponentLink3Description=https://datasheet.octopart.com:443/SRF0703-330M-Bourns-datasheet-154729902.pdf?src-supplier=Electro+Sonic, ComponentLink3URL=https://datasheet.octopart.com:443/SRF0703-330M-Bourns-datasheet-154729902.pdf?src-supplier=Electro+Sonic, ComponentLink4Description=https://datasheet.octopart.com:443/SRF0703-330M-Bourns-datasheet-159777445.pdf?src-supplier=RS+(Formerly+Allied+Electronics), ComponentLink4URL=https://datasheet.octopart.com:443/SRF0703-330M-Bourns-datasheet-159777445.pdf?src-supplier=RS+(Formerly+Allied+Electronics), ComponentLink5Description=https://datasheet.octopart.com:443/SRF0703-330M-Bourns-datasheet-10413855.pdf?src-supplier=Newark, ComponentLink5URL=https://datasheet.octopart.com:443/SRF0703-330M-Bourns-datasheet-10413855.pdf?src-supplier=Newark, ComponentLink6Description=https://datasheet.octopart.com:443/SRF0703-330M-Bourns-datasheet-10025696.pdf?src-supplier=Farnell, ComponentLink6URL=https://datasheet.octopart.com:443/SRF0703-330M-Bourns-datasheet-10025696.pdf?src-supplier=Farnell, ComponentLink7Description=http://sigma.octopart.com:80/conflict_mineral_statement/Bourns-company-36.pdf?src-supplier=Compliance+Statements, ComponentLink7URL=http://sigma.octopart.com:80/conflict_mineral_statement/Bourns-company-36.pdf?src-supplier=Compliance+Statements, Core Material=Ferrite, Depth=7.6mm, Height=3.4mm, Length=7.6mm, Lifecycle Status=Production, Manufacturer Part Number=SRF0703-330M, Max DC Current=1.31A, Military Standard=Not, Mounting Technology="Surface Mount", Number of Circuits=2, Number of Coils=2, Number of Terminals=4, Packaging="Cut Tape", Pins=4, Pricing="70=0,3829 (USD)", REACH SVHC=Yes, RMS Current (Irms)=1.31A, RoHS=Compliant, Schedule B="8504500000, 8504500000|8504500000|8504500000|8504500000|8504500000", Shielding=Yes, Stock=70, Supplier="Arrow Electronics", Supplier Part Number=SRF0703-330M, Termination=SMD/SMT, Test Frequency=100kHz, Width=7.6mm, Inductance Tolerance=20%
NTC1: library part "THERMISTOR NTC 10 OHM", "NTC Thermistor 10 1206 (3216 Metric)", Case Code (Metric)=3216, Case Code (Imperial)=1206, Manufacturer="KYOCERA AVX", Max Operating Temperature=150°C, Max Power Dissipation=240mW, Min Operating Temperature=-55°C, Supplier Part Number=581-NC20KC0100KBA, Tolerance=10%, Accuracy=5%, Case/Package=1206, Category=Thermistors, China RoHS=Compliant, ComponentLink1Description=https://datasheet.octopart.com:443/NC20KC0100KBA-KYOCERA-AVX-datasheet-182025368.pdf?src-supplier=IHS, ComponentLink1URL=https://datasheet.octopart.com:443/NC20KC0100KBA-KYOCERA-AVX-datasheet-182025368.pdf?src-supplier=IHS, ComponentLink2Description=https://datasheet.octopart.com:443/NC20KC0100KBA-AVX-datasheet-2691.pdf?src-supplier=Mouser, ComponentLink2URL=https://datasheet.octopart.com:443/NC20KC0100KBA-AVX-datasheet-2691.pdf?src-supplier=Mouser, ComponentLink3Description=https://datasheet.octopart.com:443/NC20KC0100KBA-AVX-datasheet-12341000.pdf?src-supplier=_legacy+Avnet, ComponentLink3URL=https://datasheet.octopart.com:443/NC20KC0100KBA-AVX-datasheet-12341000.pdf?src-supplier=_legacy+Avnet, ComponentLink4Description=http://sigma.octopart.com:80/conflict_mineral_statement/AVX-company-34.pdf?src-supplier=Compliance+Statements, ComponentLink4URL=http://sigma.octopart.com:80/conflict_mineral_statement/AVX-company-34.pdf?src-supplier=Compliance+Statements, ComponentLink5Description=http://sigma.octopart.com:80/reach_statement/AVX-company-19.pdf?src-supplier=Compliance+Statements, ComponentLink5URL=http://sigma.octopart.com:80/reach_statement/AVX-company-19.pdf?src-supplier=Compliance+Statements, Depth=1.6mm, Height=1.5mm, Lead Free="Contains Lead", Length=3.2mm, Lifecycle Status=Production, Manufacturer Part Number=NC20KC0100KBA, Mounting Technology="Surface Mount", Number of Terminals=2, Pins=2, Power Dissipation=240mW, Power Rating=240mW, Pricing="1=0,43, 10=0,405, 50=0,359, 100=0,342, 1000=0,295, 10000=0,282 (USD)", Radiation Hardening=No, REACH SVHC=Yes, RoHS=Compliant, Schedule B=8533400080, Stock=13105, Supplier=Mouser, Termination=SMD/SMT, Width=1.6mm
OSC1: library part "32 MHz OSCİLLATOR", "32 MHz TCXO Clipped Sine Wave Oscillator 1.65V ~ 3.65V 4-SMD, No Lead", Current - Supply (Max)=2mA, Frequency="32 MHz", Frequency Stability=±2.5ppm, Operating Temperature="-30°C ~ 85°C", Package / Case="4-SMD, No Lead", Voltage - Supply="1.65V ~ 3.65V", Base Resonator=Crystal, Mounting Type="Surface Mount", Output="Clipped Sine Wave", Size / Dimension="0.079\" L x 0.063\" W (2.00mm x 1.60mm)", Type=TCXO
Q1 Q2 Q3 Q4 Q5 Q6: library part "MOSFET N-CH 40V 37A/100A", "N-Channel 40 V 37A (Ta), 100A (Tc) 2.5W (Ta), 139W (Tc) Surface Mount PG-TDSON-8 FL", Continuous Drain Current (ID)=37A, Drain to Source Breakdown Voltage=40V, Drain to Source Resistance=1.4mΩ, Gate to Source Voltage (Vgs)=20V, Manufacturer=Infineon, Max Junction Temperature (Tj)=150°C, Max Power Dissipation=139W, Min Operating Temperature=-55°C, On-State Resistance=1.05mΩ, Package Quantity=5000, Power Dissipation=2.5W, Supplier Part Number=2725801, Input Capacitance=6.2nF, Category=MOSFETs, China RoHS=Non-Compliant, ComponentLink1Description=https://datasheet.octopart.com:443/BSC010N04LSIATMA1-Infineon-datasheet-82520598.pdf?src-supplier=ODG+(Origin+Data+Global), ComponentLink1URL=https://datasheet.octopart.com:443/BSC010N04LSIATMA1-Infineon-datasheet-82520598.pdf?src-supplier=ODG+(Origin+Data+Global), ComponentLink2Description=https://datasheet.octopart.com:443/BSC010N04LSIATMA1-Infineon-datasheet-62293607.pdf?src-supplier=TME, ComponentLink2URL=https://datasheet.octopart.com:443/BSC010N04LSIATMA1-Infineon-datasheet-62293607.pdf?src-supplier=TME, ComponentLink3Description=http://sigma.octopart.com:80/conflict_mineral_statement/Infineon-company-51.pdf?src-supplier=Compliance+Statements, ComponentLink3URL=http://sigma.octopart.com:80/conflict_mineral_statement/Infineon-company-51.pdf?src-supplier=Compliance+Statements, Drain to Source Voltage (Vdss)=40V, Fall Time=17ns, Halogen Free="Halogen Free", Height=1.1mm, Lead Free="Contains Lead", Lifecycle Status=Production, Manufacturer Part Number=BSC010N04LSIATMA1, Max Dual Supply Voltage=40V, Max Operating Temperature=150°C, Min Breakdown Voltage=40V, Mounting Technology="Surface Mount", Number of Channels=1, Number of Elements=1, Number of Terminals=8, Packaging="Tape & Reel", Pins=8, Pricing="1=1,27, 10=1,13, 100=1,12, 500=0,92, 1000=0,818 (EUR)", Rds On Max=1.05mΩ, REACH SVHC=No, Rise Time=48ns, RoHS=Compliant, Schedule B="8541290080, 8541290080|8541290080|8541290080|8541290080|8541290080|8541290080|8541290080|8541290080|8541290080|8541290080|8541290080|8541290080|8541290080|8541290080|8541290080|8541290080|8541290080|8541290080|8541290080|8541290080|8541290080|8541290080|8541290080|85", Stock=11576, Supplier=Farnell, Turn-Off Delay Time=33ns, Turn-On Delay Time=9ns
R1: library part "RES 31K OHM 1/2W 2010", "31 kOhms ±0.01% 0.5W, 1/2W Chip Resistor 2010 (5025 Metric) Non-Inductive Metal Foil", Manufacturer=Vishay, Max Operating Temperature=150°C, Min Operating Temperature=-55°C, Power Dissipation=500mW, Temperature Coefficient=0.2ppm/°C, Tolerance=0.01%, Working Voltage=187V, Category="Chip SMD Resistors", ComponentLink1Description=https://datasheet.octopart.com:443/Y162731K0000T9R-Vishay-Precision-Group-datasheet-182188935.pdf?src-supplier=IHS, ComponentLink1URL=https://datasheet.octopart.com:443/Y162731K0000T9R-Vishay-Precision-Group-datasheet-182188935.pdf?src-supplier=IHS, ComponentLink2Description=http://sigma.octopart.com:80/rohs_statement/Vishay-company-15.pdf?src-supplier=Compliance+Statements, ComponentLink2URL=http://sigma.octopart.com:80/rohs_statement/Vishay-company-15.pdf?src-supplier=Compliance+Statements, Height=640µm, Lifecycle Status=EOL, Manufacturer Part Number=Y162731K0000T9R, Mounting Technology="Surface Mount", Number of Terminals=2, Pricing="100=21,3857, 200=21,0735, 400=15,5876, 600=14,3969, 800=14,1771 (USD)", REACH SVHC=Yes, RoHS=Compliant, Supplier=Avnet, Supplier Part Number=Y162731K0000T9R, Width=2.46mm
R2 R6 R14 R15 R19 R20 R21 R22 R23: library part "RES 10K OHM 1/10W 0603", "RES 10K OHM 1% 1/10W 0603", Case Code (Metric)=1608, Case Code (Imperial)=0603, Manufacturer="Stackpole Electronics", Max Operating Temperature=155°C, Max Power Dissipation=100mW, Min Operating Temperature=-55°C, Temperature Coefficient=100ppm/°C, Tolerance=1%, Voltage Rating=75V, Case/Package=0603, Category="Chip SMD Resistors", China RoHS=Non-Compliant, ComponentLink1Description=https://datasheet.octopart.com:443/RMCF0603FT10K0-Stackpole-Electronics-datasheet-182148065.pdf?src-supplier=IHS, ComponentLink1URL=https://datasheet.octopart.com:443/RMCF0603FT10K0-Stackpole-Electronics-datasheet-182148065.pdf?src-supplier=IHS, ComponentLink2Description=https://datasheet.octopart.com:443/RMCF0603FT10K0-Stackpole-Electronics-datasheet-28504820.pdf?src-supplier=Upverter, ComponentLink2URL=https://datasheet.octopart.com:443/RMCF0603FT10K0-Stackpole-Electronics-datasheet-28504820.pdf?src-supplier=Upverter, ComponentLink3Description=https://datasheet.octopart.com:443/RMCF0603FT10K0-Stackpole-Electronics-datasheet-141193804.pdf?src-supplier=Stackpole+Electronics, ComponentLink3URL=https://datasheet.octopart.com:443/RMCF0603FT10K0-Stackpole-Electronics-datasheet-141193804.pdf?src-supplier=Stackpole+Electronics, ComponentLink4Description=https://datasheet.octopart.com:443/RMCF0603FT10K0-Stackpole-Electronics-datasheet-62091608.pdf?src-supplier=Stackpole+Electronics, ComponentLink4URL=https://datasheet.octopart.com:443/RMCF0603FT10K0-Stackpole-Electronics-datasheet-62091608.pdf?src-supplier=Stackpole+Electronics, ComponentLink5Description=https://datasheet.octopart.com:443/RMCF0603FT10K0-Stackpole-Electronics-datasheet-12534581.pdf?src-supplier=Stackpole+Electronics, ComponentLink5URL=https://datasheet.octopart.com:443/RMCF0603FT10K0-Stackpole-Electronics-datasheet-12534581.pdf?src-supplier=Stackpole+Electronics, ComponentLink6Description=https://datasheet.octopart.com:443/RMCF0603FT10K0-Stackpole-Electronics-datasheet-10788263.pdf?src-supplier=Stackpole+Electronics, ComponentLink6URL=https://datasheet.octopart.com:443/RMCF0603FT10K0-Stackpole-Electronics-datasheet-10788263.pdf?src-supplier=Stackpole+Electronics, ComponentLink7Description=https://datasheet.octopart.com:443/RMCF0603FT10K0-Stackpole-Electronics-datasheet-155966809.pdf?src-supplier=Electro+Sonic, ComponentLink7URL=https://datasheet.octopart.com:443/RMCF0603FT10K0-Stackpole-Electronics-datasheet-155966809.pdf?src-supplier=Electro+Sonic, ComponentLink8Description=https://datasheet.octopart.com:443/RMCF0603FT10K0-Stackpole-Electronics-datasheet-189104164.pdf?src-supplier=Master+Electronics, ComponentLink8URL=https://datasheet.octopart.com:443/RMCF0603FT10K0-Stackpole-Electronics-datasheet-189104164.pdf?src-supplier=Master+Electronics, ComponentLink9Description=https://datasheet.octopart.com:443/RMCF0603FT10K0-Stackpole-Electronics-datasheet-154799224.pdf?src-supplier=Master+Electronics, ComponentLink9URL=https://datasheet.octopart.com:443/RMCF0603FT10K0-Stackpole-Electronics-datasheet-154799224.pdf?src-supplier=Master+Electronics, ComponentLink10Description=https://datasheet.octopart.com:443/RMCF0603FT10K0-Stackpole-Electronics-datasheet-11546843.pdf?src-supplier=Arrow+Electronics, ComponentLink10URL=https://datasheet.octopart.com:443/RMCF0603FT10K0-Stackpole-Electronics-datasheet-11546843.pdf?src-supplier=Arrow+Electronics, ComponentLink11Description=https://datasheet.octopart.com:443/RMCF0603FT10K0-Stackpole-Electronics-datasheet-11547379.pdf?src-supplier=Future+Electronics, ComponentLink11URL=https://datasheet.octopart.com:443/RMCF0603FT10K0-Stackpole-Electronics-datasheet-11547379.pdf?src-supplier=Future+Electronics, ComponentLink12Description=https://datasheet.octopart.com:443/RMCF0603FT10K0-Stackpole-Electronics-datasheet-8359789.pdf?src-supplier=Future+Electronics, ComponentLink12URL=https://datasheet.octopart.com:443/RMCF0603FT10K0-Stackpole-Electronics-datasheet-8359789.pdf?src-supplier=Future+Electronics, ComponentLink13Description=https://datasheet.octopart.com:443/RMCF0603FT10K0-Stackpole-Electronics-datasheet-8324226.pdf?src-supplier=Future+Electronics, ComponentLink13URL=https://datasheet.octopart.com:443/RMCF0603FT10K0-Stackpole-Electronics-datasheet-8324226.pdf?src-supplier=Future+Electronics, ComponentLink14Description=http://sigma.octopart.com:80/15940719/materials_sheet/Stackpole-Electronics-RMCF0603FT10K0.pdf?src-supplier=Compliance+Statements, ComponentLink14URL=http://sigma.octopart.com:80/15940719/materials_sheet/Stackpole-Electronics-RMCF0603FT10K0.pdf?src-supplier=Compliance+Statements, ComponentLink15Description=http://sigma.octopart.com:80/141158211/reach_statement/Stackpole-Electronics-RMCF0603FT10K0.pdf?src-supplier=Compliance+Statements, ComponentLink15URL=http://sigma.octopart.com:80/141158211/reach_statement/Stackpole-Electronics-RMCF0603FT10K0.pdf?src-supplier=Compliance+Statements, ComponentLink16Description=http://sigma.octopart.com:80/141158212/rohs_statement/Stackpole-Electronics-RMCF0603FT10K0.pdf?src-supplier=Compliance+Statements, ComponentLink16URL=http://sigma.octopart.com:80/141158212/rohs_statement/Stackpole-Electronics-RMCF0603FT10K0.pdf?src-supplier=Compliance+Statements, Composition="Thick Film", Contact Plating=Tin, Depth=800µm, Features="Automotive AEC-Q200", Height=450µm, Lead Free="Lead Free", Length=1.55mm, Lifecycle Status=Production, Manufacturer Part Number=RMCF0603FT10K0, Military Standard=Not, Mounting Technology="Surface Mount", Number of Terminals=2, Number of Terminations=2, Packaging="Cut Tape (CT)", Power Dissipation=100mW, Power Rating=100mW, Pricing="50000=0,0018 (USD)", Radiation Hardening=No, REACH SVHC=Yes, RoHS=Compliant, Schedule B="8533210045, 8533210045|8533210045, 8533210045|8533210045|8533210045, 8533210045|8533210045|8533210045|8533210045", Stock=2390000, Supplier="Arrow Electronics", Supplier Part Number=RMCF0603FT10K0, Width=800µm, Working Voltage=75V